# Altium PCB LimeSDR-X3_1v2.PcbDoc (part 24 of 25)
Units mm, origin at the board's own origin, x right, y up, seen from the top; angles counter-clockwise.
Board outline 232.5 x 111.15 mm, 12 copper layers (Top, L2, L3, L4, L5, L6, L7, L8, L9, L10, L11, Bottom), stack 1.596 mm thick; 2084 components, 1388 nets, 8919 pads, 3667 vias.
Unrouted connection lines stored in the file: 1.
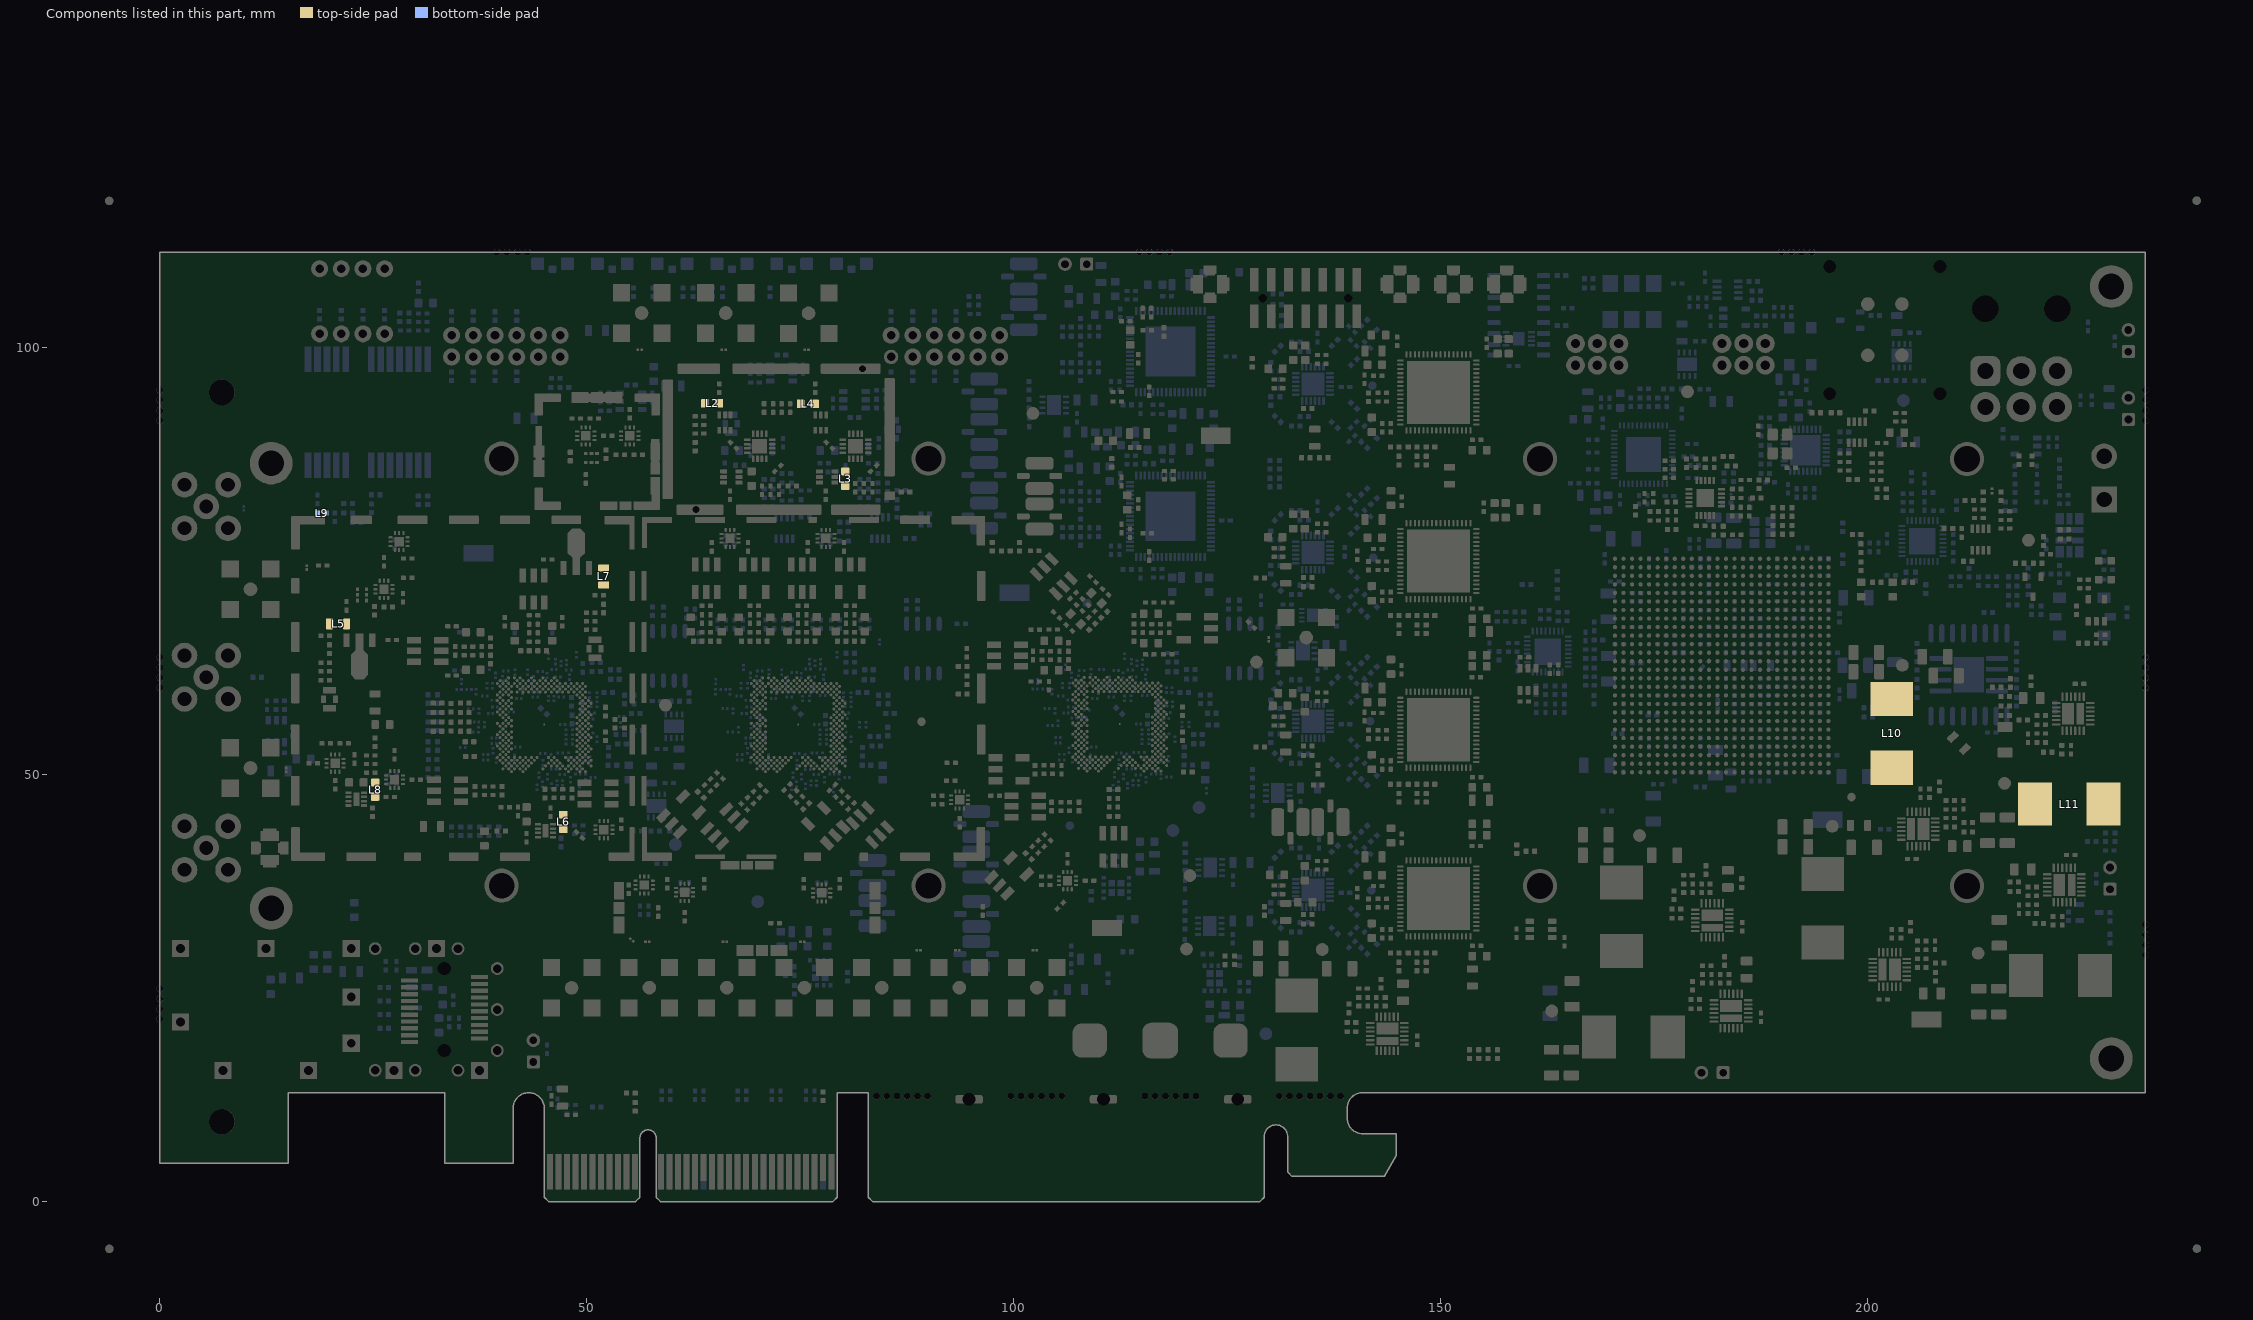
[diagram p34: the components of this part, seen from the top]

## Other copper (continued)
L2:
  pour cut-out: 26.716,53.557 cw(c27.466,53.557) 27.466,54.307 cw(c27.466,53.557) 28.216,53.557
  pour cut-out: 22.025,53.025 cw(c22.775,53.025) 22.775,53.775 cw(c22.775,53.025) 23.525,53.025
  pour cut-out: 45,1.4 56.2,1.4 56.2,7.475 cw(c57.125,7.475) 57.125,8.4 57.15,8.4 cw(c57.15,7.45) 58.1,7.45 58.1,1.4 79.3,1.4 79.3,5.55 45,5.55
  pour cut-out: 24.3,68.25 cw(c23.55,68.25) 23.55,67.5 23.55,69 cw(c23.55,68.25)
  pour cut-out: 90.64,49.287 cw(c91.39,49.287) 91.39,50.037 91.39,48.537 cw(c91.39,49.287)
  pour cut-out: 56.03,82.02 cw(c55.5,82.55) 54.97,82.02 56.03,83.08 cw(c55.5,82.55)
  pour cut-out: 57.786,89.67 cw(c57.036,89.67) 57.036,88.92 57.036,90.42 cw(c57.036,89.67)
  pour cut-out: 93.845,73.795 cw(c94.375,74.325) 93.845,74.855 94.905,73.795 cw(c94.375,74.325)
  pour cut-out: 199.975,105.1 199.975,105.9 ccw(c199.975,105.1) 199.175,105.1 ccw(c199.975,105.1) 199.975,104.3 ccw(c199.975,105.1) 200.775,105.1 ccw(c199.975,105.1) 199.975,105.9
  pour cut-out: 30.779,77.289 cw(c30.029,77.289) 30.029,76.539 30.029,78.039 cw(c30.029,77.289)
  pour cut-out: 107.605,41.83 cw(c107.075,41.3) 107.605,40.77 106.545,41.83 cw(c107.075,41.3)
  pour cut-out: 94.484,57.463 cw(c94.484,58.213) 93.734,58.213 95.234,58.213 cw(c94.484,58.213)
  pour cut-out: 51.975,45.8 cw(c51.975,45.05) 52.725,45.05 51.225,45.05 cw(c51.975,45.05)
  pour cut-out: 54.275,35.175 cw(c55.025,35.175) 55.025,35.925 55.025,34.425 cw(c55.025,35.175)
  pour cut-out: 51.775,47.184 53.693,47.184 53.7,46.35 53.184,45.834 51.775,45.834
  pour cut-out: 50.792,47.184 48.873,47.184 48.873,45.834 50.792,45.834
  pour cut-out: 50.792,49.724 48.873,49.724 48.873,48.374 50.792,48.374
  pour cut-out: 76.142,42.693 74.671,44.164 75.908,45.401 77.379,43.931
  pour cut-out: 77.838,43.457 79.309,41.986 78.072,40.749 76.601,42.22
  pour cut-out: 78.044,44.595 76.573,46.066 77.81,47.304 79.281,45.833
  pour cut-out: 83.071,43.323 84.428,41.966 83.473,41.011 82.116,42.368
  pour cut-out: 82.376,44.018 81.019,45.374 80.065,44.42 81.421,43.063
  pour cut-out: 84.172,45.814 82.815,47.17 81.861,46.216 83.217,44.859
  pour cut-out: 65.334,43.99 63.977,42.634 63.022,43.588 64.379,44.945
  pour cut-out: 66.029,44.685 67.385,46.042 66.431,46.997 65.074,45.64
  pour cut-out: 67.825,42.889 69.181,44.246 68.227,45.201 66.87,43.844
  pour cut-out: 61.624,45.261 63.095,46.732 64.332,45.495 62.861,44.024
  pour cut-out: 60.486,45.467 59.015,43.996 57.777,45.233 59.248,46.704
  pour cut-out: 59.722,47.164 61.193,48.634 62.43,47.397 60.959,45.926
  pour cut-out: 77.325,103.275 77.325,105.4 74.575,105.4 74.575,103.275
  pour cut-out: 67.622,103.3 67.622,105.425 64.872,105.425 64.872,103.3
  pour cut-out: 57.775,103.3 57.775,105.425 55.025,105.425 55.025,103.3
  pour cut-out: 11.35,73.077 9.225,73.077 9.225,70.327 11.35,70.327
  pour cut-out: 11.35,52.15 9.225,52.15 9.225,49.4 11.35,49.4
  pour cut-out: 101.3,25.8 101.3,23.675 104.05,23.675 104.05,25.8
  pour cut-out: 92.225,25.8 92.225,23.675 94.975,23.675 94.975,25.8
  pour cut-out: 85.275,26.425 83.15,26.425 83.15,23.675 85.275,23.675
  pour cut-out: 74.075,25.8 74.075,23.675 76.825,23.675 76.825,25.8
  pour cut-out: 65,25.8 65,23.675 67.75,23.675 67.75,25.8
  pour cut-out: 55.925,25.8 55.925,23.675 58.675,23.675 58.675,25.8
  pour cut-out: 48.95,26.4 46.825,26.4 46.825,23.65 48.95,23.65
  pour cut-out: 80.75,86.35 80.75,84.7 79.75,84.7 79.75,86.35
  pour cut-out: 75.9,93.925 77.55,93.925 77.55,92.925 75.9,92.925
  pour cut-out: 64.675,93.975 66.325,93.975 66.325,92.975 64.675,92.975
  pour cut-out: 69.775,86.325 69.775,84.675 68.775,84.675 68.775,86.325
  pour cut-out: 12.343,42.772 12.343,40.047 10.643,40.047 10.643,42.772
  pour cut-out: 99.33,38.717 100.801,40.188 99.563,41.425 98.092,39.954
  pour cut-out: 101.232,36.815 102.703,38.286 101.465,39.523 99.994,38.052
  pour cut-out: 98.863,38.25 97.392,36.779 96.155,38.017 97.626,39.488
  pour cut-out: 109.71,41.053 109.71,39.135 111.06,39.135 111.06,41.053
  pour cut-out: 111.064,42.036 111.064,43.955 109.714,43.955 109.714,42.036
  pour cut-out: 113.604,42.036 113.604,43.955 112.254,43.955 112.254,42.036
  pour cut-out: 100.823,48.214 98.905,48.214 98.905,46.864 100.823,46.864
  pour cut-out: 101.806,46.86 103.725,46.86 103.725,48.21 101.806,48.21
  pour cut-out: 101.806,44.32 103.725,44.32 103.725,45.67 101.806,45.67
  pour cut-out: 121.805,67.603 123.885,67.603 123.885,69.353 121.805,69.353
  pour cut-out: 121.145,69.343 119.065,69.343 119.065,67.593 121.145,67.593
  pour cut-out: 121.145,66.653 119.065,66.653 119.065,64.903 121.145,64.903
  pour cut-out: 99.084,48.396 97.004,48.396 97.004,50.146 99.084,50.146
  pour cut-out: 99.744,52.826 101.824,52.826 101.824,51.076 99.744,51.076
  pour cut-out: 99.744,50.136 101.824,50.136 101.824,48.386 99.744,48.386
  pour cut-out: 99.747,61.997 101.666,61.997 101.666,63.347 99.747,63.347
  pour cut-out: 99.747,64.537 101.666,64.537 101.666,65.887 99.747,65.887
  pour cut-out: 98.764,65.89 96.846,65.89 96.846,64.54 98.764,64.54
  pour cut-out: 103.636,71.494 104.993,70.137 105.947,71.092 104.591,72.448
  pour cut-out: 105.432,73.29 106.789,71.933 107.743,72.888 106.387,74.245
  pour cut-out: 105.694,74.942 104.337,76.298 103.383,75.344 104.739,73.987
  pour cut-out: 31.842,62.535 33.76,62.535 33.76,63.885 31.842,63.885
  pour cut-out: 31.842,65.075 33.76,65.075 33.76,66.425 31.842,66.425
  pour cut-out: 30.859,66.428 28.94,66.428 28.94,65.078 30.859,65.078
  pour cut-out: 41.794,71.24 41.794,69.321 43.144,69.321 43.144,71.24
  pour cut-out: 44.334,71.24 44.334,69.321 45.684,69.321 45.684,71.24
  pour cut-out: 45.688,72.223 45.688,74.141 44.338,74.141 44.338,72.223
  pour cut-out: 73.249,72.504 73.249,70.585 74.599,70.585 74.599,72.504
  pour cut-out: 75.789,72.504 75.789,70.585 77.139,70.585 77.139,72.504
  pour cut-out: 77.142,73.487 77.142,75.405 75.792,75.405 75.792,73.487
  pour cut-out: 81.301,72.665 81.301,70.585 83.051,70.585 83.051,72.665
  pour cut-out: 78.611,72.665 78.611,70.585 80.361,70.585 80.361,72.665
  pour cut-out: 80.351,73.325 80.351,75.405 78.601,75.405 78.601,73.325
  pour cut-out: 70.075,72.665 70.075,70.585 71.825,70.585 71.825,72.665
  pour cut-out: 67.385,72.665 67.385,70.585 69.135,70.585 69.135,72.665
  pour cut-out: 69.125,73.325 69.125,75.405 67.375,75.405 67.375,73.325
  pour cut-out: 65.916,73.487 65.916,75.405 64.566,75.405 64.566,73.487
  pour cut-out: 64.563,72.504 64.563,70.585 65.913,70.585 65.913,72.504
  pour cut-out: 62.023,72.504 62.023,70.585 63.373,70.585 63.373,72.504
  pour cut-out: 53.1,74.6 53.1,73.35 51.3,73.35 51.3,74.6
  pour cut-out: 50.59,75.365 50.59,73.062 49.565,73.062 49.565,75.365
  pour cut-out: 46.6,72.687 46.6,74.625 46.965,74.99 47.924,74.99 47.924,72.687
  pour cut-out: 34.158,46.16 36.076,46.16 36.076,47.51 34.158,47.51
  pour cut-out: 34.158,48.7 36.076,48.7 36.076,50.05 34.158,50.05
  pour cut-out: 25.2,66.903 25.2,64.6 24.175,64.6 24.175,66.903
  region net GND: 231.875,91.825 229.125,91.825 229.125,91.325 231.875,91.325
  region net GND: 230.25,92.95 230.25,90.2 230.75,90.2 230.75,92.95
  region net GND: 224.7,82.979 224.7,81.5 230.6,81.5 230.6,82.979
  region net GND: 228.419,85.16 226.94,85.16 226.94,79.26 228.419,79.26
  pour cut-out: 24.691,46.625 24.691,48.125 25.691,48.125 25.691,46.625
  pour cut-out: 33.175,48.7 31.256,48.7 31.256,50.05 33.175,50.05
  pour cut-out: 22.575,66.552 22.575,64.6 21.175,64.6 21.175,66.552
  pour cut-out: 21.175,68.302 22.575,68.302 22.575,67.002 21.175,67.002
L3:
  pour cut-out: 27.466,54.307 cw(c27.466,53.557) 28.216,53.557 cw(c27.466,53.557) 27.466,52.807 cw(c27.466,53.557) 26.716,53.557 cw(c27.466,53.557)
  pour cut-out: 22.775,53.775 cw(c22.775,53.025) 23.525,53.025 cw(c22.775,53.025) 22.775,52.275 cw(c22.775,53.025) 22.025,53.025 cw(c22.775,53.025)
  pour cut-out: 20.23,71.555 cw(c19.7,71.025) 20.23,70.495 cw(c19.7,71.025) 19.17,70.495 cw(c19.7,71.025) 19.17,71.555 cw(c19.7,71.025)
  pour cut-out: 24.3,68.25 cw(c23.55,68.25) 23.55,67.5 cw(c23.55,68.25) 22.8,68.25 cw(c23.55,68.25) 23.55,69 cw(c23.55,68.25)
  pour cut-out: 90.64,49.287 cw(c91.39,49.287) 91.39,50.037 cw(c91.39,49.287) 92.14,49.287 cw(c91.39,49.287) 91.39,48.537 cw(c91.39,49.287)
  pour cut-out: 56.03,82.02 cw(c55.5,82.55) 54.97,82.02 cw(c55.5,82.55) 54.97,83.08 cw(c55.5,82.55) 56.03,83.08 cw(c55.5,82.55)
  pour cut-out: 57.786,89.67 cw(c57.036,89.67) 57.036,88.92 cw(c57.036,89.67) 56.286,89.67 cw(c57.036,89.67) 57.036,90.42 cw(c57.036,89.67)
  pour cut-out: 93.845,73.795 cw(c94.375,74.325) 93.845,74.855 cw(c94.375,74.325) 94.905,74.855 cw(c94.375,74.325) 94.905,73.795 cw(c94.375,74.325)
  pour cut-out: 30.779,77.289 cw(c30.029,77.289) 30.029,76.539 cw(c30.029,77.289) 29.279,77.289 cw(c30.029,77.289) 30.029,78.039 cw(c30.029,77.289)
  pour cut-out: 107.605,41.83 cw(c107.075,41.3) 107.605,40.77 cw(c107.075,41.3) 106.545,40.77 cw(c107.075,41.3) 106.545,41.83 cw(c107.075,41.3)
  pour cut-out: 94.484,57.463 cw(c94.484,58.213) 93.734,58.213 cw(c94.484,58.213) 94.484,58.963 cw(c94.484,58.213) 95.234,58.213 cw(c94.484,58.213)
  pour cut-out: 51.975,45.8 cw(c51.975,45.05) 52.725,45.05 cw(c51.975,45.05) 51.975,44.3 cw(c51.975,45.05) 51.225,45.05 cw(c51.975,45.05)
  pour cut-out: 54.275,35.175 cw(c55.025,35.175) 55.025,35.925 cw(c55.025,35.175) 55.775,35.175 cw(c55.025,35.175) 55.025,34.425 cw(c55.025,35.175)
  region net FPGA_DONE: 186.875,68.775
  text "A" at 35.693,6.37 h0.7
  text "V" at 36.693,6.37 h0.7
  text "D" at 37.793,6.37 h0.7
  text "R" at 38.343,6.37 h0.7
  text "L" at 36.168,5.795 h0.7
L4:
  pour cut-out: 27.466,54.307 cw(c27.466,53.557) 28.216,53.557 cw(c27.466,53.557) 27.466,52.807 cw(c27.466,53.557) 26.716,53.557 cw(c27.466,53.557)
  pour cut-out: 22.775,53.775 cw(c22.775,53.025) 23.525,53.025 cw(c22.775,53.025) 22.775,52.275 cw(c22.775,53.025) 22.025,53.025 cw(c22.775,53.025)
  pour cut-out: 20.23,71.555 cw(c19.7,71.025) 20.23,70.495 cw(c19.7,71.025) 19.17,70.495 cw(c19.7,71.025) 19.17,71.555 cw(c19.7,71.025)
  pour cut-out: 24.3,68.25 cw(c23.55,68.25) 23.55,67.5 cw(c23.55,68.25) 22.8,68.25 cw(c23.55,68.25) 23.55,69 cw(c23.55,68.25)
  pour cut-out: 218.688,80.582 cw(c218.688,80.082) 219.187,80.082 219.187,79.907 cw(c218.688,79.907) 218.688,79.407 217.913,79.407 cw(c217.912,79.832) 217.487,79.832 217.487,80.107 cw(c217.962,80.107) 217.963,80.582
  pour cut-out: 90.64,49.287 cw(c91.39,49.287) 91.39,50.037 cw(c91.39,49.287) 92.14,49.287 cw(c91.39,49.287) 91.39,48.537 cw(c91.39,49.287)
  pour cut-out: 56.03,82.02 cw(c55.5,82.55) 54.97,82.02 cw(c55.5,82.55) 54.97,83.08 cw(c55.5,82.55) 56.03,83.08 cw(c55.5,82.55)
  pour cut-out: 57.786,89.67 cw(c57.036,89.67) 57.036,88.92 cw(c57.036,89.67) 56.286,89.67 cw(c57.036,89.67) 57.036,90.42 cw(c57.036,89.67)
  pour cut-out: 93.845,73.795 cw(c94.375,74.325) 93.845,74.855 cw(c94.375,74.325) 94.905,74.855 cw(c94.375,74.325) 94.905,73.795 cw(c94.375,74.325)
  pour cut-out: 30.779,77.289 cw(c30.029,77.289) 30.029,76.539 cw(c30.029,77.289) 29.279,77.289 cw(c30.029,77.289) 30.029,78.039 cw(c30.029,77.289)
  pour cut-out: 107.605,41.83 cw(c107.075,41.3) 107.605,40.77 cw(c107.075,41.3) 106.545,40.77 cw(c107.075,41.3) 106.545,41.83 cw(c107.075,41.3)
  pour cut-out: 94.484,57.463 cw(c94.484,58.213) 93.734,58.213 cw(c94.484,58.213) 94.484,58.963 cw(c94.484,58.213) 95.234,58.213 cw(c94.484,58.213)
  pour cut-out: 51.975,45.8 cw(c51.975,45.05) 52.725,45.05 cw(c51.975,45.05) 51.975,44.3 cw(c51.975,45.05) 51.225,45.05 cw(c51.975,45.05)
  pour cut-out: 54.275,35.175 cw(c55.025,35.175) 55.025,35.925 cw(c55.025,35.175) 55.775,35.175 cw(c55.025,35.175) 55.025,34.425 cw(c55.025,35.175)
  region net VCC1P4_LMS1: 77.85,63.775 78.025,63.775 78.225,63.575 78.225,62.85 78.325,62.75 79.425,62.75 81.5,64.825 81.5,65.1 77.85,65.1
L5:
  pour cut-out: 28.216,53.557 cw(c27.466,53.557) 27.466,52.807 cw(c27.466,53.557) 26.716,53.557 cw(c27.466,53.557) 27.466,54.307 cw(c27.466,53.557)
  pour cut-out: 23.525,53.025 cw(c22.775,53.025) 22.775,52.275 cw(c22.775,53.025) 22.025,53.025 cw(c22.775,53.025) 22.775,53.775 cw(c22.775,53.025)
  pour cut-out: 20.23,70.495 cw(c19.7,71.025) 19.17,70.495 cw(c19.7,71.025) 19.17,71.555 cw(c19.7,71.025) 20.23,71.555 cw(c19.7,71.025)
  pour cut-out: 23.55,67.5 cw(c23.55,68.25) 22.8,68.25 cw(c23.55,68.25) 23.55,69 cw(c23.55,68.25) 24.3,68.25 cw(c23.55,68.25)
  pour cut-out: 90.859,49.817 cw(c91.39,49.287) 91.92,49.817 cw(c91.39,49.287) 91.92,48.757 cw(c91.39,49.287) 90.859,48.757 cw(c91.39,49.287)
  pour cut-out: 55.5,81.8 cw(c55.5,82.55) 54.75,82.55 cw(c55.5,82.55) 55.5,83.3 cw(c55.5,82.55) 56.25,82.55 cw(c55.5,82.55)
  pour cut-out: 57.566,89.139 cw(c57.036,89.67) 56.506,89.139 cw(c57.036,89.67) 56.506,90.2 cw(c57.036,89.67) 57.566,90.2 cw(c57.036,89.67)
  pour cut-out: 93.625,74.325 cw(c94.375,74.325) 94.375,75.075 cw(c94.375,74.325) 95.125,74.325 cw(c94.375,74.325) 94.375,73.575 cw(c94.375,74.325)
  pour cut-out: 93.954,57.683 cw(c94.484,58.213) 93.954,58.743 cw(c94.484,58.213) 95.014,58.743 cw(c94.484,58.213) 95.014,57.683 cw(c94.484,58.213)
  pour cut-out: 55.775,35.175 cw(c55.025,35.175) 55.025,34.425 cw(c55.025,35.175) 54.275,35.175 cw(c55.025,35.175) 55.025,35.925 cw(c55.025,35.175)
  pour cut-out: 30.029,76.539 cw(c30.029,77.289) 29.279,77.289 cw(c30.029,77.289) 30.029,78.039 cw(c30.029,77.289) 30.779,77.289 cw(c30.029,77.289)
  pour cut-out: 107.605,40.77 cw(c107.075,41.3) 106.545,40.77 cw(c107.075,41.3) 106.545,41.83 cw(c107.075,41.3) 107.605,41.83 cw(c107.075,41.3)
  region net GND: 230.25,92.95 230.25,90.2 230.75,90.2 230.75,92.95
  region net GND: 231.875,91.825 229.125,91.825 229.125,91.325 231.875,91.325
  region net GND: 228.419,85.16 226.94,85.16 226.94,79.26 228.419,79.26
  region net GND: 224.7,82.979 224.7,81.5 230.6,81.5 230.6,82.979
L7:
  pour cut-out: 28.216,53.557 cw(c27.466,53.557) 27.466,52.807 cw(c27.466,53.557) 26.716,53.557 cw(c27.466,53.557) 27.466,54.307 cw(c27.466,53.557)
  pour cut-out: 23.525,53.025 cw(c22.775,53.025) 22.775,52.275 cw(c22.775,53.025) 22.025,53.025 cw(c22.775,53.025) 22.775,53.775 cw(c22.775,53.025)
  pour cut-out: 20.23,70.495 cw(c19.7,71.025) 19.17,70.495 cw(c19.7,71.025) 19.17,71.555 cw(c19.7,71.025) 20.23,71.555 cw(c19.7,71.025)
  pour cut-out: 23.55,67.5 cw(c23.55,68.25) 22.8,68.25 cw(c23.55,68.25) 23.55,69 cw(c23.55,68.25) 24.3,68.25 cw(c23.55,68.25)
  pour cut-out: 90.859,49.817 cw(c91.39,49.287) 91.92,49.817 cw(c91.39,49.287) 91.92,48.757 cw(c91.39,49.287) 90.859,48.757 cw(c91.39,49.287)
  pour cut-out: 55.5,81.8 cw(c55.5,82.55) 54.75,82.55 cw(c55.5,82.55) 55.5,83.3 cw(c55.5,82.55) 56.25,82.55 cw(c55.5,82.55)
  pour cut-out: 57.566,89.139 cw(c57.036,89.67) 56.506,89.139 cw(c57.036,89.67) 56.506,90.2 cw(c57.036,89.67) 57.566,90.2 cw(c57.036,89.67)
  pour cut-out: 93.625,74.325 cw(c94.375,74.325) 94.375,75.075 cw(c94.375,74.325) 95.125,74.325 cw(c94.375,74.325) 94.375,73.575 cw(c94.375,74.325)
  pour cut-out: 93.954,57.683 cw(c94.484,58.213) 93.954,58.743 cw(c94.484,58.213) 95.014,58.743 cw(c94.484,58.213) 95.014,57.683 cw(c94.484,58.213)
  pour cut-out: 55.775,35.175 cw(c55.025,35.175) 55.025,34.425 cw(c55.025,35.175) 54.275,35.175 cw(c55.025,35.175) 55.025,35.925 cw(c55.025,35.175)
  pour cut-out: 30.029,76.539 cw(c30.029,77.289) 29.279,77.289 cw(c30.029,77.289) 30.029,78.039 cw(c30.029,77.289) 30.779,77.289 cw(c30.029,77.289)
  pour cut-out: 107.605,40.77 cw(c107.075,41.3) 106.545,40.77 cw(c107.075,41.3) 106.545,41.83 cw(c107.075,41.3) 107.605,41.83 cw(c107.075,41.3)
  region net GND: 231.875,91.825 229.125,91.825 229.125,91.325 231.875,91.325
  region net GND: 230.25,92.95 230.25,90.2 230.75,90.2 230.75,92.95
  region net GND: 224.7,82.979 224.7,81.5 230.6,81.5 230.6,82.979
  region net GND: 228.419,85.16 226.94,85.16 226.94,79.26 228.419,79.26
L8:
  pour cut-out: 28.216,53.557 cw(c27.466,53.557) 27.466,52.807 cw(c27.466,53.557) 26.716,53.557 cw(c27.466,53.557) 27.466,54.307 cw(c27.466,53.557)
  pour cut-out: 23.525,53.025 cw(c22.775,53.025) 22.775,52.275 cw(c22.775,53.025) 22.025,53.025 cw(c22.775,53.025) 22.775,53.775 cw(c22.775,53.025)
  pour cut-out: 20.23,70.495 cw(c19.7,71.025) 19.17,70.495 cw(c19.7,71.025) 19.17,71.555 cw(c19.7,71.025) 20.23,71.555 cw(c19.7,71.025)
  pour cut-out: 23.55,67.5 cw(c23.55,68.25) 22.8,68.25 cw(c23.55,68.25) 23.55,69 cw(c23.55,68.25) 24.3,68.25 cw(c23.55,68.25)
  pour cut-out: 90.859,49.817 cw(c91.39,49.287) 91.92,49.817 cw(c91.39,49.287) 91.92,48.757 cw(c91.39,49.287) 90.859,48.757 cw(c91.39,49.287)
  pour cut-out: 55.5,81.8 cw(c55.5,82.55) 54.75,82.55 cw(c55.5,82.55) 55.5,83.3 cw(c55.5,82.55) 56.25,82.55 cw(c55.5,82.55)
  pour cut-out: 57.566,89.139 cw(c57.036,89.67) 56.506,89.139 cw(c57.036,89.67) 56.506,90.2 cw(c57.036,89.67) 57.566,90.2 cw(c57.036,89.67)
  pour cut-out: 93.625,74.325 cw(c94.375,74.325) 94.375,75.075 cw(c94.375,74.325) 95.125,74.325 cw(c94.375,74.325) 94.375,73.575 cw(c94.375,74.325)
  pour cut-out: 93.954,57.683 cw(c94.484,58.213) 93.954,58.743 cw(c94.484,58.213) 95.014,58.743 cw(c94.484,58.213) 95.014,57.683 cw(c94.484,58.213)
  pour cut-out: 55.775,35.175 cw(c55.025,35.175) 55.025,34.425 cw(c55.025,35.175) 54.275,35.175 cw(c55.025,35.175) 55.025,35.925 cw(c55.025,35.175)
  pour cut-out: 30.029,76.539 cw(c30.029,77.289) 29.279,77.289 cw(c30.029,77.289) 30.029,78.039 cw(c30.029,77.289) 30.779,77.289 cw(c30.029,77.289)
  pour cut-out: 107.605,40.77 cw(c107.075,41.3) 106.545,40.77 cw(c107.075,41.3) 106.545,41.83 cw(c107.075,41.3) 107.605,41.83 cw(c107.075,41.3)
  region net VCC5P0: 136.025,29.35 136.025,20.525 132.9,17.4 126.45,17.4 122.35,21.5 119.325,21.5 117.173,23.652 117.173,25.55 119.775,25.55 120.475,24.85 123.7,24.85 128.025,20.525 130.425,20.525 131.575,21.675 131.575,29.35
  region net VCC5P0: 131.575,29.35 131.575,31.875 128.8,34.65 128.8,35.85 129.45,36.5 130,36.5 136.025,30.475 136.025,29.35
  region net VDIO_LMS_FPGA: 196.925,71.725 196.8,71.6 196.55,71.6 196.2,71.95 196.2,72.375 196.625,72.8 196.8,72.8 196.925,72.675
L9:
  pour cut-out: 54.495,35.705 cw(c55.025,35.175) 55.555,35.705 cw(c55.025,35.175) 55.555,34.645
  pour cut-out: 23.525,53.025 cw(c22.775,53.025) 22.775,52.275 cw(c22.775,53.025) 22.025,53.025
  pour cut-out: 27.996,53.026 cw(c27.466,53.557) 26.936,53.026 cw(c27.466,53.557) 26.936,54.087
  pour cut-out: 29.279,77.289 cw(c30.029,77.289) 30.029,78.039 cw(c30.029,77.289) 30.779,77.289
  pour cut-out: 91.92,48.757 cw(c91.39,49.287) 90.859,48.757 cw(c91.39,49.287) 90.859,49.817
  pour cut-out: 56.286,89.67 cw(c57.036,89.67) 57.036,90.42 cw(c57.036,89.67) 57.786,89.67
  pour cut-out: 54.97,82.02 cw(c55.5,82.55) 54.97,83.08 cw(c55.5,82.55) 56.03,83.08
  pour cut-out: 20.23,70.495 cw(c19.7,71.025) 19.17,70.495 cw(c19.7,71.025) 19.17,71.555 cw(c19.7,71.025) 20.23,71.555 cw(c19.7,71.025)
  pour cut-out: 23.55,67.5 cw(c23.55,68.25) 22.8,68.25 cw(c23.55,68.25) 23.55,69 cw(c23.55,68.25) 24.3,68.25 cw(c23.55,68.25)
  pour cut-out: 93.625,74.325 cw(c94.375,74.325) 94.375,75.075 cw(c94.375,74.325) 95.125,74.325 cw(c94.375,74.325) 94.375,73.575 cw(c94.375,74.325)
  pour cut-out: 93.954,57.683 cw(c94.484,58.213) 93.954,58.743 cw(c94.484,58.213) 95.014,58.743 cw(c94.484,58.213) 95.014,57.683 cw(c94.484,58.213)
  pour cut-out: 107.605,40.77 cw(c107.075,41.3) 106.545,40.77 cw(c107.075,41.3) 106.545,41.83 cw(c107.075,41.3) 107.605,41.83 cw(c107.075,41.3)
  region net GND: 230.25,92.95 230.25,90.2 230.75,90.2 230.75,92.95
  region net GND: 231.875,91.825 229.125,91.825 229.125,91.325 231.875,91.325
  region net GND: 228.419,85.16 226.94,85.16 226.94,79.26 228.419,79.26
  region net GND: 224.7,82.979 224.7,81.5 230.6,81.5 230.6,82.979
L10:
  pour cut-out: 27.54,54.307 29.231,55.998 ccw(c27.435,57.794) 29.975,57.794 29.975,60.041 cw(c32.109,60.041) 30.6,61.55 32.531,63.481 cw(c34.327,61.685) 34.327,64.225 35.148,64.225 ccw(c35.148,66.765) 36.944,64.969 41.256,69.281 cw(c43.052,67.485) 43.052,70.025 54.398,70.025 ccw(c54.398,72.565) 56.194,70.769 59.906,74.481 cw(c61.702,72.685) 61.702,75.225 78.934,75.225 ccw(c78.934,76.591) 79.9,75.625 cw(c81.228,74.297) 81.228,76.175 88.523,76.175 cw(c88.523,73.635) 90.319,75.431 90.325,75.425 ccw(c91.826,76.926) 91.826,74.803 93.792,74.803 93.792,73.847 91.141,73.847 cw(c91.141,75.991) 89.625,74.475 ccw(c88.116,72.966) 88.116,75.1 81.48,75.1 ccw(c81.48,73.82) 80.575,74.725 cw(c79.247,76.053) 79.247,74.175 61.963,74.175 ccw(c61.963,72.212) 60.575,73.6 56.669,69.694 cw(c54.873,71.49) 54.873,68.95 43.477,68.95 ccw(c43.477,66.41) 41.681,68.206 37.494,64.019 cw(c35.698,65.815) 35.698,63.275 34.802,63.275 ccw(c34.802,60.735) 33.006,62.531 31.377,60.902 ccw(c32.53,59.75) 30.9,59.75 30.9,57.256 cw(c28.36,57.256) 30.156,55.46 28.216,53.52
  pour cut-out: 55.574,81.8 57.63,79.744 ccw(c59.426,81.54) 59.426,79 90.623,79 cw(c90.623,76.46) 92.419,78.256 95.156,75.519 cw(c93.36,73.723) 95.9,73.723 95.9,55.777 cw(c93.36,55.777) 95.156,53.981 91.276,50.101 ccw(c91.354,50.023) 91.243,50.023 92.125,49.141 96.306,53.322 ccw(c94.51,55.118) 97.05,55.118 97.05,74.223 ccw(c94.51,74.223) 96.306,76.019 93.019,79.306 ccw(c91.223,77.51) 91.223,80.05 59.728,80.05 cw(c59.728,82.59) 57.932,80.794 56.25,82.476
  pour cut-out: 57.453,89.046 57.453,87.505 cw(c54.913,87.505) 56.709,85.709 52.169,81.169 cw(c50.373,82.965) 50.373,80.425 48.977,80.425 ccw(c48.977,77.885) 47.181,79.681 33.319,65.819 cw(c31.523,67.615) 31.523,65.075 31.275,65.075 ccw(c31.275,63.989) 30.507,64.757 30.026,64.276 ccw(c30.751,63.55) 29.725,63.55 29.725,63.352 cw(c27.185,63.352) 28.981,61.556 24.102,56.677 ccw(c25.898,54.88) 23.358,54.88 23.358,53.503 22.192,53.503 22.192,55.515 cw(c24.732,55.515) 22.936,57.311 27.731,62.106 ccw(c25.935,63.902) 28.475,63.902 28.475,64.125 cw(c29.803,64.125) 28.864,65.064 29.65,65.85 cw(c31.4,64.1) 31.4,66.575 ccw(c31.4,68.205) 32.552,67.052 46.456,80.956 cw(c48.252,79.16) 48.252,81.7 50.073,81.7 ccw(c50.073,84.24) 51.869,82.444 55.814,86.389 ccw(c54.018,88.185) 56.558,88.185 56.558,89.087
  pour cut-out: 54.275,35.101 54.193,35.019 cw(c52.397,36.815) 52.397,34.275 34.402,34.275 cw(c34.402,36.815) 32.606,35.019 20.369,47.256 cw(c22.165,49.052) 19.625,49.052 19.625,53.516 cw(c21.759,53.516) 20.25,55.025 25.456,60.231 ccw(c23.66,62.027) 26.2,62.027 26.2,62.273 cw(c28.74,62.273) 26.944,64.069 29.756,66.881 ccw(c27.96,68.677) 30.5,68.677 30.5,76.7 30.507,76.707 29.551,76.707 29.551,69.253 cw(c27.011,69.253) 28.807,67.457 25.969,64.619 ccw(c27.765,62.823) 25.225,62.823 25.225,62.602 cw(c22.685,62.602) 24.481,60.806 19.269,55.594 ccw(c21.065,53.798) 18.525,53.798 18.525,48.577 ccw(c21.065,48.577) 19.269,46.781 32.056,33.994 ccw(c33.852,35.79) 33.852,33.25 52.93,33.25 ccw(c52.93,35.79) 54.726,33.994 55.171,34.439
  pour cut-out: 28.216,53.557 cw(c27.466,53.557) 27.466,52.807 cw(c27.466,53.557) 26.716,53.557 cw(c27.466,53.557) 27.466,54.307 cw(c27.466,53.557)
  pour cut-out: 23.525,53.025 cw(c22.775,53.025) 22.775,52.275 cw(c22.775,53.025) 22.025,53.025 cw(c22.775,53.025) 22.775,53.775 cw(c22.775,53.025)
  pour cut-out: 20.23,70.495 cw(c19.7,71.025) 19.17,70.495 cw(c19.7,71.025) 19.17,71.555 cw(c19.7,71.025) 20.23,71.555 cw(c19.7,71.025)
  pour cut-out: 23.55,67.5 cw(c23.55,68.25) 22.8,68.25 cw(c23.55,68.25) 23.55,69 cw(c23.55,68.25) 24.3,68.25 cw(c23.55,68.25)
  pour cut-out: 90.859,49.817 cw(c91.39,49.287) 91.92,49.817 cw(c91.39,49.287) 91.92,48.757 cw(c91.39,49.287) 90.859,48.757 cw(c91.39,49.287)
  pour cut-out: 55.5,81.8 cw(c55.5,82.55) 54.75,82.55 cw(c55.5,82.55) 55.5,83.3 cw(c55.5,82.55) 56.25,82.55 cw(c55.5,82.55)
  pour cut-out: 57.566,89.139 cw(c57.036,89.67) 56.506,89.139 cw(c57.036,89.67) 56.506,90.2 cw(c57.036,89.67) 57.566,90.2 cw(c57.036,89.67)
  pour cut-out: 93.625,74.325 cw(c94.375,74.325) 94.375,75.075 cw(c94.375,74.325) 95.125,74.325 cw(c94.375,74.325) 94.375,73.575 cw(c94.375,74.325)
  pour cut-out: 93.954,57.683 cw(c94.484,58.213) 93.954,58.743 cw(c94.484,58.213) 95.014,58.743 cw(c94.484,58.213) 95.014,57.683 cw(c94.484,58.213)
  pour cut-out: 55.775,35.175 cw(c55.025,35.175) 55.025,34.425 cw(c55.025,35.175) 54.275,35.175 cw(c55.025,35.175) 55.025,35.925 cw(c55.025,35.175)
  pour cut-out: 30.029,76.539 cw(c30.029,77.289) 29.279,77.289 cw(c30.029,77.289) 30.029,78.039 cw(c30.029,77.289) 30.779,77.289 cw(c30.029,77.289)
  pour cut-out: 107.605,40.77 cw(c107.075,41.3) 106.545,40.77 cw(c107.075,41.3) 106.545,41.83 cw(c107.075,41.3) 107.605,41.83 cw(c107.075,41.3)
  pour cut-out: 27.612,54.292
  pour cut-out: 27.612,54.292
  region net VCC3P3: 190.656,78.2 191.9,78.2 192.611,77.489
L6:
  pour cut-out: 26.716,53.557 cw(c27.466,53.557) 27.466,54.307 cw(c27.466,53.557) 28.216,53.557 cw(c27.466,53.557) 27.466,52.807 cw(c27.466,53.557)
  pour cut-out: 28.216,53.557 cw(c27.466,53.557) 27.466,52.807 cw(c27.466,53.557) 26.716,53.557 cw(c27.466,53.557) 27.466,54.307 cw(c27.466,53.557)
  pour cut-out: 23.525,53.025 cw(c22.775,53.025) 22.775,52.275 cw(c22.775,53.025) 22.025,53.025 cw(c22.775,53.025) 22.775,53.775 cw(c22.775,53.025)
  pour cut-out: 22.025,53.025 cw(c22.775,53.025) 22.775,53.775 cw(c22.775,53.025) 23.525,53.025 cw(c22.775,53.025) 22.775,52.275 cw(c22.775,53.025)
  pour cut-out: 19.17,71.555 cw(c19.7,71.025) 20.23,71.555 cw(c19.7,71.025) 20.23,70.495 cw(c19.7,71.025) 19.17,70.495 cw(c19.7,71.025)
  pour cut-out: 20.23,70.495 cw(c19.7,71.025) 19.17,70.495 cw(c19.7,71.025) 19.17,71.555 cw(c19.7,71.025) 20.23,71.555 cw(c19.7,71.025)
  pour cut-out: 23.55,69 cw(c23.55,68.25) 24.3,68.25 cw(c23.55,68.25) 23.55,67.5 cw(c23.55,68.25) 22.8,68.25 cw(c23.55,68.25)
  pour cut-out: 23.55,67.5 cw(c23.55,68.25) 22.8,68.25 cw(c23.55,68.25) 23.55,69 cw(c23.55,68.25) 24.3,68.25 cw(c23.55,68.25)
  pour cut-out: 90.859,49.817 cw(c91.39,49.287) 91.92,49.817 cw(c91.39,49.287) 91.92,48.757 cw(c91.39,49.287) 90.859,48.757 cw(c91.39,49.287)
  pour cut-out: 91.39,48.537 cw(c91.39,49.287) 90.64,49.287 cw(c91.39,49.287) 91.39,50.037 cw(c91.39,49.287) 92.14,49.287 cw(c91.39,49.287)
  pour cut-out: 55.5,81.8 cw(c55.5,82.55) 54.75,82.55 cw(c55.5,82.55) 55.5,83.3 cw(c55.5,82.55) 56.25,82.55 cw(c55.5,82.55)
  pour cut-out: 56.03,83.08 cw(c55.5,82.55) 56.03,82.02 cw(c55.5,82.55) 54.97,82.02 cw(c55.5,82.55) 54.97,83.08 cw(c55.5,82.55)
  pour cut-out: 57.036,90.42 cw(c57.036,89.67) 57.786,89.67 cw(c57.036,89.67) 57.036,88.92 cw(c57.036,89.67) 56.286,89.67 cw(c57.036,89.67)
  pour cut-out: 57.566,89.139 cw(c57.036,89.67) 56.506,89.139 cw(c57.036,89.67) 56.506,90.2 cw(c57.036,89.67) 57.566,90.2 cw(c57.036,89.67)
  pour cut-out: 94.905,73.795 cw(c94.375,74.325) 93.845,73.795 cw(c94.375,74.325) 93.845,74.855 cw(c94.375,74.325) 94.905,74.855 cw(c94.375,74.325)
  pour cut-out: 93.625,74.325 cw(c94.375,74.325) 94.375,75.075 cw(c94.375,74.325) 95.125,74.325 cw(c94.375,74.325) 94.375,73.575 cw(c94.375,74.325)
  pour cut-out: 93.954,57.683 cw(c94.484,58.213) 93.954,58.743 cw(c94.484,58.213) 95.014,58.743 cw(c94.484,58.213) 95.014,57.683 cw(c94.484,58.213)
  pour cut-out: 55.775,35.175 cw(c55.025,35.175) 55.025,34.425 cw(c55.025,35.175) 54.275,35.175 cw(c55.025,35.175) 55.025,35.925 cw(c55.025,35.175)
  pour cut-out: 30.029,76.539 cw(c30.029,77.289) 29.279,77.289 cw(c30.029,77.289) 30.029,78.039 cw(c30.029,77.289) 30.779,77.289 cw(c30.029,77.289)
  pour cut-out: 107.605,40.77 cw(c107.075,41.3) 106.545,40.77 cw(c107.075,41.3) 106.545,41.83 cw(c107.075,41.3) 107.605,41.83 cw(c107.075,41.3)
  pour cut-out: 30.029,78.039 cw(c30.029,77.289) 30.779,77.289 cw(c30.029,77.289) 30.029,76.539 cw(c30.029,77.289) 29.279,77.289 cw(c30.029,77.289)
  pour cut-out: 106.545,41.83 cw(c107.075,41.3) 107.605,41.83 cw(c107.075,41.3) 107.605,40.77 cw(c107.075,41.3) 106.545,40.77 cw(c107.075,41.3)
  pour cut-out: 95.234,58.213 cw(c94.484,58.213) 94.484,57.463 cw(c94.484,58.213) 93.734,58.213 cw(c94.484,58.213) 94.484,58.963 cw(c94.484,58.213)
  pour cut-out: 55.025,34.425 cw(c55.025,35.175) 54.275,35.175 cw(c55.025,35.175) 55.025,35.925 cw(c55.025,35.175) 55.775,35.175 cw(c55.025,35.175)
  region net VCC3P3: 110.375,22.6 111,22.6 111.175,22.775 111.175,23.45 110.825,23.8 110.6,23.8 110.225,23.425 110.225,22.75
  region net VCC1P8: 212.1,28.025 212.2,28.125 213.4,28.125 213.5,28.025 213.5,26.825 213.375,26.7 212.325,26.7 212.1,26.925
  region net VCC1P8A: 128.025,89.2 129.016,89.2 129.725,88.491 129.725,88.019 129.206,88.019
L11:
  pour cut-out: 54.97,82.02 cw(c55.5,82.55) 54.97,83.08 cw(c55.5,82.55) 56.03,83.08
  pour cut-out: 27.996,53.026 cw(c27.466,53.557) 26.936,53.026 cw(c27.466,53.557) 26.936,54.087
  pour cut-out: 23.525,53.025 cw(c22.775,53.025) 22.775,52.275 cw(c22.775,53.025) 22.025,53.025
  pour cut-out: 45,1.4 56.2,1.4 56.2,7.475 cw(c57.125,7.475) 57.125,8.4 57.15,8.4 cw(c57.15,7.45) 58.1,7.45 58.1,1.4 79.3,1.4 79.3,5.55 45,5.55
  pour cut-out: 19.17,71.555 cw(c19.7,71.025) 20.23,71.555 cw(c19.7,71.025) 20.23,70.495
  pour cut-out: 23.02,68.78 cw(c23.55,68.25) 24.08,68.78 cw(c23.55,68.25) 24.08,67.72
  pour cut-out: 91.92,48.757 cw(c91.39,49.287) 90.859,48.757 cw(c91.39,49.287) 90.859,49.817
  pour cut-out: 56.286,89.67 cw(c57.036,89.67) 57.036,90.42 cw(c57.036,89.67) 57.786,89.67
  pour cut-out: 94.375,75.075 cw(c94.375,74.325) 95.125,74.325 cw(c94.375,74.325) 94.375,73.575
  pour cut-out: 54.495,35.705 cw(c55.025,35.175) 55.555,35.705 cw(c55.025,35.175) 55.555,34.645
  pour cut-out: 93.734,58.213 cw(c94.484,58.213) 94.484,58.963 cw(c94.484,58.213) 95.234,58.213
  pour cut-out: 29.279,77.289 cw(c30.029,77.289) 30.029,78.039 cw(c30.029,77.289) 30.779,77.289
  pour cut-out: 106.545,41.83 cw(c107.075,41.3) 107.605,41.83 cw(c107.075,41.3) 107.605,40.77
  pour cut-out: 18.45,84.294 19.15,84.294 19.15,87.95 18.45,87.95
  pour cut-out: 18.45,84.294 17.75,84.294 17.75,87.95 18.45,87.95
  region net GND: 230.25,92.95 230.25,90.2 230.75,90.2 230.75,92.95
  region net GND: 231.875,91.825 229.125,91.825 229.125,91.325 231.875,91.325
  region net GND: 228.419,85.16 226.94,85.16 226.94,79.26 228.419,79.26
  region net GND: 224.7,82.979 224.7,81.5 230.6,81.5 230.6,82.979
Bottom:
  drawing of 243 lines, arcs and shapes, not listed
MultiLayer:
  pour cut-out: 45,0.5 45.5,0 55.7,0 56.2,0.5 56.2,7.475 cw(c57.125,7.475) 57.125,8.4 57.15,8.4 cw(c57.15,7.45) 58.1,7.45 58.1,0.5 58.6,0 78.8,0 79.3,0.5 79.3,1.4 45,1.4
  pour cut-out: 5.675,39.275 ccw(c5.675,40.525) 6.925,40.525 6.925,41.4 5.425,41.4 5.425,39.275
  pour cut-out: 5.675,43.525 cw(c5.675,42.275) 6.925,42.275 6.925,41.4 5.425,41.4 5.425,43.525
  pour cut-out: 5.425,41.4 3.3,41.4 3.3,41.65 cw(c5.162,41.663) 5.15,43.525 5.425,43.525
  pour cut-out: 5.425,41.4 3.3,41.4 3.3,41.15 ccw(c5.162,41.137) 5.15,39.275 5.425,39.275
  pour cut-out: 5.675,59.275 ccw(c5.675,60.525) 6.925,60.525 6.925,61.4 5.425,61.4 5.425,59.275
  pour cut-out: 5.675,63.525 cw(c5.675,62.275) 6.925,62.275 6.925,61.4 5.425,61.4 5.425,63.525
  pour cut-out: 5.425,61.4 3.3,61.4 3.3,61.65 cw(c5.162,61.663) 5.15,63.525 5.425,63.525
  pour cut-out: 5.425,61.4 3.3,61.4 3.3,61.15 ccw(c5.162,61.137) 5.15,59.275 5.425,59.275
  pour cut-out: 5.675,79.275 ccw(c5.675,80.525) 6.925,80.525 6.925,81.4 5.425,81.4 5.425,79.275
  pour cut-out: 5.675,83.525 cw(c5.675,82.275) 6.925,82.275 6.925,81.4 5.425,81.4 5.425,83.525
  pour cut-out: 5.425,81.4 3.3,81.4 3.3,81.65 cw(c5.162,81.663) 5.15,83.525 5.425,83.525
  pour cut-out: 5.425,81.4 3.3,81.4 3.3,81.15 ccw(c5.162,81.137) 5.15,79.275 5.425,79.275

## Silkscreen, mask and mechanical layers (free items; w line width, h text height)
TopOverlay:
  drawing of 3352 lines, arcs and shapes, not listed
  text "LMS2" at 54.075,109.35 h1.2
  text "LMS1" at 68.875,109.325 h1.2
  text "TX2" at 75.75,108.275 h1
  text "TX1" at 62.9,108.25 h1
  text "TRX2" at 54.425,107.825 h1
  text "VCC" at 104.225,106.625 h1
  text "3P0" at 104.225,105.15 h1
  text "GND" at 107.775,105.125 h1
  text "BATT" at 103.825,103.625 h1
  text "OUT" at 150,103.525 h1
  text "IN" at 143.625,103.425 h1
  text "REF" at 155.975,103.25 h1.2
  text "FPGA" at 14.425,103.225 h1.2 r90
  text "PTP" at 121.1,102.5 h1.2
  text "SWITCH" at 16.325,102.125 h1.2 r90
  text "GPS" at 105.6,101.725 h1.2
  text "CLK" at 152.95,101.6 h1.2
  text "IN" at 157.525,101.6 h1.2
  text "LMK" at 144.15,101.575 h1.2
  text "CLK1" at 148.35,101.575 h1.2
  text "CLK3" at 120.4,100.7 h1.2
  text "FPGA" at 129.5,100.625 h1
  text "JTAG" at 134.05,100.625 h1
  text "BATTERY" at 102.9,99.8 h1.2
  text "FAN" at 227.6,99.175 h1 r90
  text "OUT" at 121.1,98.9 h1.2
  text "3" at 18.075,98.35 h1
  text "2" at 20.615,98.35 h1
  text "1" at 23.155,98.35 h1
  text "0" at 25.695,98.35 h1
  text "PMOD" at 31,97.5 h1.2 r90
  text "A" at 32.775,97.5 h1.2 r90
  text "B" at 103.25,97.275 h1.2 r90
  text "PMOD" at 101.425,97.25 h1.2 r90
  text "VCC" at 225.225,94.2 h0.9
  text "VCC1P8A" at 99.775,93.375 h0.7
  text "12P0" at 225.225,92.75 h0.9
  text "VCC3P3" at 176.4,91.875 h0.7
  text "EXT SYNC IN" at 162.95,91.2 h1.2
  text "EXT SYNC OUT" at 180.1,91.2 h1.2
  text "GND" at 225.225,90.9 h0.9
  text "CLK" at 177.375,90.75 h0.7
  text "VCC12P0" at 214.6,89.225 h1
  text "PWR IN" at 214.6,87.725 h1
  text "GND" at 121.7,86.7 h1
  text "VCC" at 222.275,84.9 h1 r90
  text "12P0" at 223.775,84.45 h1 r90
  text "LMS #1" at 87.525,80.85 h1.5
  text "LMS #2" at 19.475,80.825 h1.5
  text "GND" at 223.775,80.75 h1 r90
  text "REF" at 219.375,79.075 h0.7 r90
  text "VCC2P5" at 218.375,78.075 h0.7 r90
  text "TRX1" at 11.075,77.375 h1
  text "LMS2" at 9.95,75.7 h1.2
  text "GPS/" at 0.9,73.8 h1.2
  text "GNSS" at 0.9,71.9 h1.2
  text "VCC1P0" at 201.975,65.65 h0.7
  text "INT" at 202,64.675 h0.7
  text "LMS3" at 141.8,63.05 h1.2 r90
  text "TX2_2" at 139.825,62.925 h1 r90
  text "VCC1P4" at 57.15,61.15 h0.7
  text "VCC1P4" at 125.975,61.15 h0.7
  text "LMS1" at 57.95,60.025 h0.7
  text "LMS3" at 126.95,60.025 h0.7
  text "LMS #2" at 55.225,57.075 h1.5 r90
  text "RX2" at 10.95,56.55 h1
  text "LMS2" at 9.55,54.75 h1.2
  text "PTP2" at 0.75,53.8 h1.2
  text "CLK" at 0.75,52 h1.2
  text "CAL" at 124.725,50.775 h1.5 r90
  text "LMS #3" at 122.7,50.15 h1.5 r90
  text "OUT" at 0.75,50.1 h1.2
  text "VCC1P0" at 213.55,49.925 h0.7
  text "LMS #1" at 83.925,49.8 h1.5 r90
  text "VCC1P2" at 193.3,45 h0.7
  text "VCC2P5" at 171.15,44.825 h0.7
  text "VCC1P4" at 118.15,36.125 h0.7
  text "LMS2" at 119.125,35 h0.7
  text "EXT" at 0.05,33.8 h1.2
  text "TO" at 4.1,33.8 h1.2
  text "INT" at 6.95,33.8 h1.2
  text "FAN" at 226.625,33.375 h1
  text "COAX" at 3,32 h1.2
  text "FPGA" at 226.625,31.85 h1
  text "VCC5P0" at 133.85,30.575 h0.7
  text "VCC1P8" at 214.25,29.95 h0.7 r90
  text "GND" at 108.9,29.1 h1
  text "VCC1P25" at 117.825,27.6 h0.7
  text "LMS2" at 118.8,26.475 h0.7
  text "LR44R" at 110.575,26 h1
  text "CONN" at 42.425,25.1 h1.2 r90
  text "VCC3P3" at 159.75,24.225 h0.7
  text "BOM" at 153.1,21.775 h1.2
  text "SFP" at 42.475,20.925 h1.2 r90
  text "VER" at 153.1,19.85 h1.2
  text "RX1" at 64.65,19.55 h1
  text "RX2" at 72.825,19.55 h1
  text "W" at 76.8,19.55 h1
  text "RX2" at 55.45,19.523 h1
  text "RX1" at 90.637,19.529 h1
  text "W" at 94.546,19.529 h1
  text "RX1" at 100.05,19.525 h1
  text "H" at 103.825,19.525 h1
  text "RX2" at 81.587,19.479 h1
  text "H" at 85.671,19.479 h1
  text "RX1" at 46.6,19.4 h1
  text "GND" at 210.725,19.4 h1 r90
  text "3" at 152.84,18.55 h0.8
  text "2" at 153.985,18.55 h0.8
  text "1" at 155.205,18.55 h0.8
  text "0" at 156.15,18.55 h0.8
  text "EN VCC" at 179.025,18.225 h1
  text "LMS1" at 59.55,17.625 h1.2
  text "LMS2" at 46.825,17.6 h1.2
  text "LMS3" at 86,17.425 h1.2
  text "1P0_INT" at 179.1,16.65 h1
  text "FAN" at 46.825,15.725 h1
  text "RF" at 46.85,14.125 h1
  text "LimeSDR X3 v.PROJECT_VERSION" at 193.1,13.6 h2.6
  text "LimeSDR X3 v.PROJECT_VERSION" at 97.1,7.475 h2.6
  text "x4" at 73.518,7.431 h1.8
BottomOverlay:
  circle w0.2: c13.025,34.35 r3.5
  circle w0.2: c13.025,86.475 r3.5
  circle w0.2: c40,87 r3
  circle w0.2: c40,37 r3
  circle w0.2: c90,37 r3
  circle w0.2: c90,87 r3
  circle w0.2: c211.6,36.95 r3
  circle w0.2: c161.6,36.95 r3
  circle w0.2: c161.6,86.95 r3
  circle w0.2: c211.6,86.95 r3
  lines w0.1: 108.35,58.6 108.75,58.8
  lines w0.15: 32.05,60.6 32.3,60.35 33.25,60.35 33.6,60 33.6,58.925 33.925,58.6 37.35,58.6 ; 49.4,47.2 53,43.6 53,31.7 ; 67.15,35.5 67.15,48.875 68.85,50.575 ; 69.6,63.575 69.6,69.45 ; 78,63.575 78,69.45 ; 108.825,62.975 108.825,64.575 108.05,65.35 108.05,67.375 110.825,70.15 111.975,71.3 117.1,71.3 117.55,70.85 117.55,67.15 116.775,66.375 116.775,64.775 ; 114.225,47.75 114.225,46.175 118.25,42.15 118.25,22.825 125.05,16.025 144.45,16.025 ; 164.025,76.3 165.225,76.3 166.3,75.225 166.3,69.45 165.8,68.95 ; 167.825,95.9 168.75,94.625 ; 178.925,65.775 178.925,66.725 ; 182.8,43.075 182.8,48.95 ; 187.925,54.275 189.4,54.275 189.4,56.7 ; 207.4,86 207.4,89.5 ; 224.75,65.5 225.25,64.325 ; 46.25,15.15 49.775,11.625 56.325,11.625 58.9,14.2 58.9,31.7 46.25,31.7 46.25,15.15 ; 59.3,18.7 59.3,37.9 63.6,37.9 63.6,35.5 67.875,35.5 70.7,32.675 70.7,18.7 59.3,18.7 ; 64.6,69.45 75.1,69.45 75.1,76.275 65.625,76.275 64.6,76.275 64.6,69.45 ; 76.475,69.45 76.475,76.275 83.825,76.275 83.825,69.45 76.475,69.45 ; 144.45,13.025 144.45,35.725 158.25,35.725 158.25,13.025 144.45,13.025 ; 150.475,72.9 150.475,82.4 164.025,82.4 164.025,74.9 162.825,74.9 162.825,72.9 150.475,72.9 ; 176.25,27.8 176.25,43.075 191.45,43.075 191.45,27.8 176.25,27.8
  lines w0.2: 42.475,111.1 42.475,107.6 70.4,107.6 70.4,111.075 ; 82.95,12.75 140.75,12.75
  text "3" at 17.805,106.9 h1 r270
  text "2" at 20.345,106.9 h1 r270
  text "1" at 22.885,106.9 h1 r270
  text "0" at 25.425,106.9 h1 r270
  text "FPGA" at 76.325,106.15 h1
  text "VCC" at 82.625,106.075 h1
  text "FPGA LEDs" at 52.25,105.875 h1
  text "CONF" at 76.35,104.65 h1
  text "3P3" at 82.65,104.6 h1
  text "FPGA" at 14.975,104.075 h1.2 r270
  text "SWITCH" at 13.075,102.975 h1.2 r270
  text "VCC2P5" at 205.825,91.8 h0.7
  text "CLK" at 204.7,90.75 h0.7
  text "GND" at 39.202,72.956 h1
  text "GND" at 102.003,68.306 h1
  text "VCC1P25" at 121.75,47.5 h0.7
  text "LMS3" at 120.625,46.45 h0.7
  text "VCC1P8" at 124.05,43.6 h0.7
  text "LMS3" at 122.925,42.55 h0.7
  text "VCC1P25" at 66.2,41.85 h0.7
  text "GND" at 197.175,41.725 h1
  text "LMS1" at 65.2,40.8 h0.7
  text "VCC1P8" at 71.95,37.225 h0.7
  text "LMS1" at 71.325,36.175 h0.7
  text "VCC1P8" at 131.575,21.8 h0.7
  text "LMS2" at 130.875,20.725 h0.7
  text "To be removed if not required. Used only for mechanical rigidity. No electrical connection." at 121.125,6.25 h0.7
TopSolder:
  region: 83.45,0 82.95,0.5 82.95,5.725 117.55,5.725 117.55,0
  region: 128.8,0 129.3,0.5 129.3,5.725 117.55,5.725 117.55,0
BottomSolder:
  region: 83.45,0 82.95,0.5 82.95,5.725 117.55,5.725 117.55,0
  region: 128.8,0 129.3,0.5 129.3,5.725 117.55,5.725 117.55,0